# Altium PCB MB1367C-for mechanical-drawing.PcbDoc (part 3 of 5) (continued)
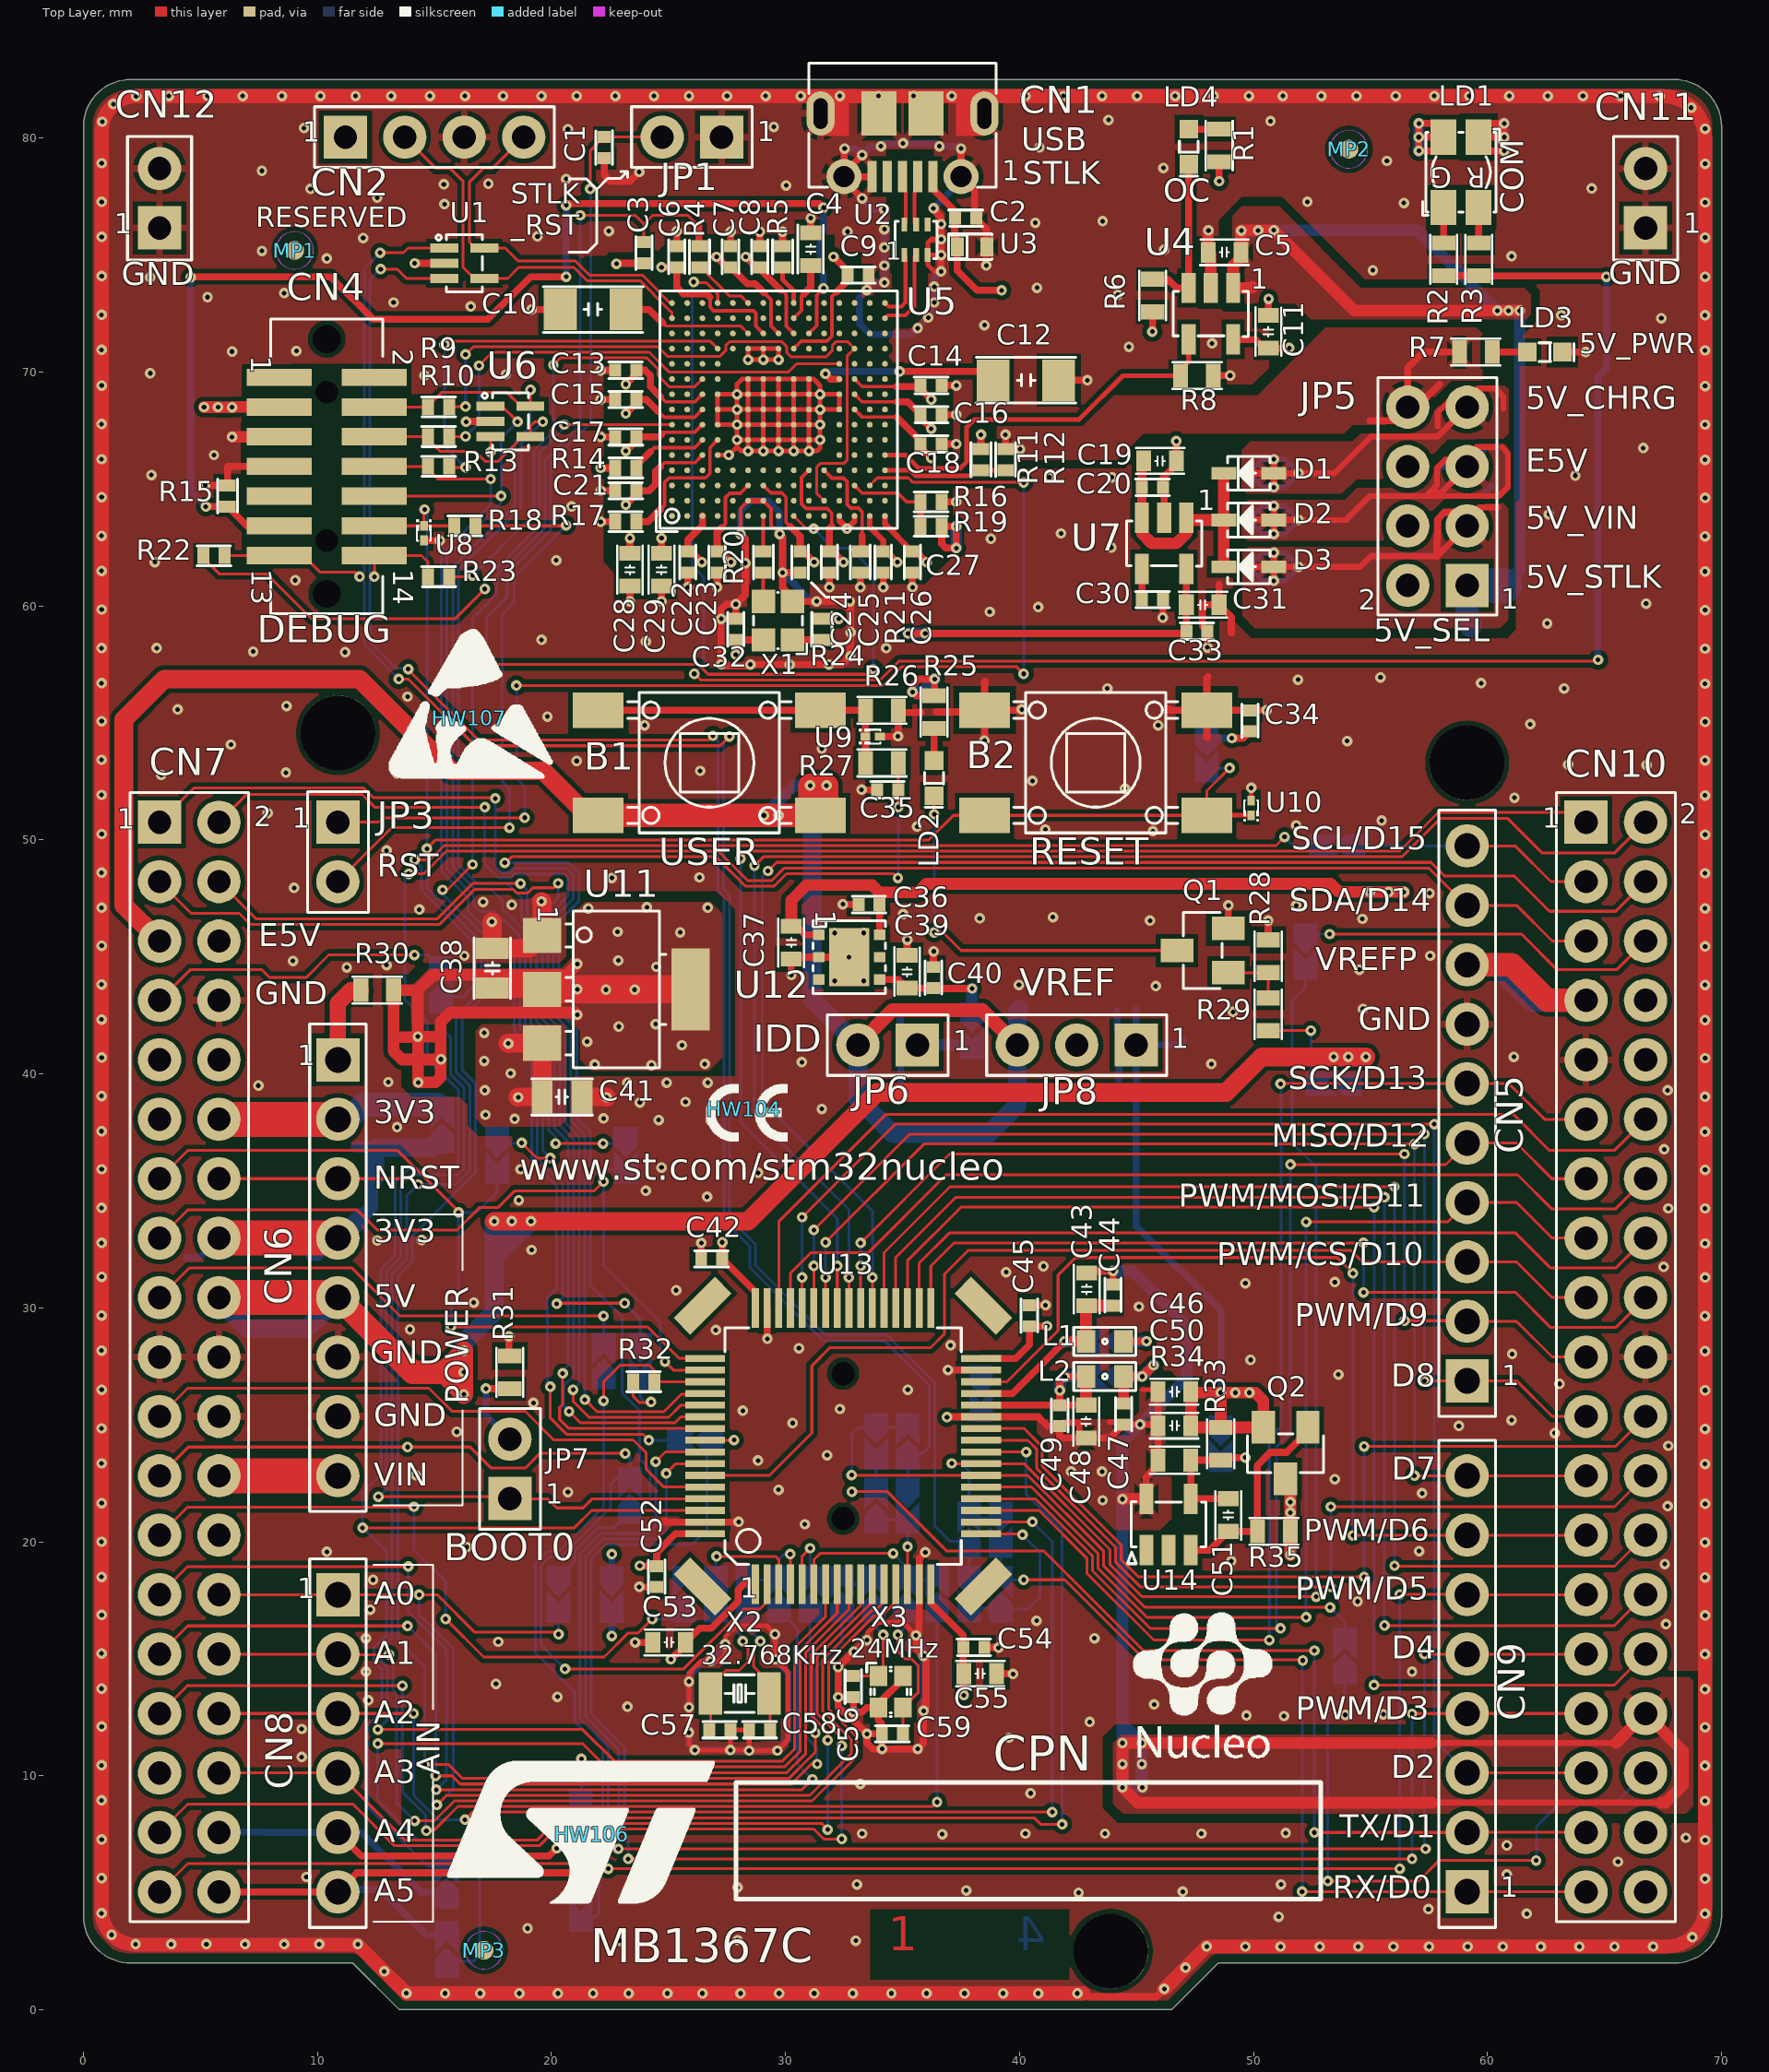
[diagram p0: Top Layer view]
## Nets (pads, with @x,y where several pads share a name; then routed paths per layer and width w, separated by ;. In a path a pad name is that pad's centre, name@x,y a point inside that pad or via, vN(x,y) a via of type N, cw(c..) or ccw(c..) an arc to the next point about the centre after c; other vN are vias at no path point) (continued)
GNDDetect: CN4.11 R15.2 U5.K13 | length 51
  Top Layer w0.15: U5.K13@31,71.65 31.33,71.98 31.33,73.28 v1(31.625,73.575)
  Top Layer w0.3: v1(4.575,74.05) 4.6,74.075 10.55,74.075 12.375,72.25 17.275,72.25 19.1,74.075 v1(20.625,74.075) ; v1(5.225,64.25) R15.2@6.15,64.25 6.975,63.425 CN4.11@8.363,63.425 ; v1(20.625,77.125) 20.695,77.195 31.455,77.195 v1(31.625,77.025)
  Bottom Layer w0.3: v1(4.575,74.05) 4.575,64.9 v1(5.225,64.25) ; v1(20.625,74.075) v1(20.625,77.125) ; v1(31.625,73.575) 31.625,74.2 31.475,74.35 31.475,75.9 31.625,76.05 v1(31.625,77.025)
IOREF: CN6.2 CN7.12 SB39.2 | length 20.2
  Top Layer w1.5: CN7.12@5.79,38.06 CN6.2@10.87,38.06
  Signal Layer 2 w1.5: CN7.12@5.79,38.06 CN6.2@10.87,38.06
  Bottom Layer w0.5: 15.15,38.7 15.325,38.525 SB39.2@15.325,38.4
  Bottom Layer w1: CN6.2@10.87,38.06 11.31,38.06 11.95,38.7 15.15,38.7
  Bottom Layer w1.5: CN7.12@5.79,38.06 CN6.2@10.87,38.06
LED_STLK: R2.2 R3.2 U5.D15 | length 83
  Top Layer w0.12: v1@26.075,73.825 26.617,73.825 27.105,73.337 27.105,72.955 U5.D15@27.1,72.95 ; v1(26.1,57.1) 26.115,57.1 26.375,56.84 34.051,56.84 34.851,57.64 64.665,57.64 v1(64.725,57.7) ; R2.2@58.12,74.115 R2.2@58.135,74.1 ; v1(65.075,74.075) 65.075,74.1 65.075,74.125 v1@65.1,74.1
  Top Layer w0.3: R2.2@58.12,74.115 R3.2@59.62,74.115 ; R2.2@58.135,74.1 65.075,74.1 v1@65.1,74.1
  Bottom Layer w0.12: v1(26.075,73.85) 26.02,73.795 26.02,61.707 26.5,61.227 26.5,57.5 v1(26.1,57.1) ; v1@64.7,57.725 v1(64.725,57.7)
  Bottom Layer w0.3: v1@64.7,57.725 64.7,69.8 65.075,70.175 v1(65.075,74.075)
MCO: C3.2 R4.2 SB27.1 | length 103.5
  Top Layer w0.12: v1(14.575,10.475) 15.607,10.475 16.197,9.885 30.146,9.885 31.001,10.741 31.009,10.741 31.275,11.007 v1(31.275,11.825) ; v1(15.346,47.868) 15.543,47.868 v1(16.625,48.95) ; v1(21.225,76.7) 23.575,76.7 23.95,76.325 ; C3.2@23.95,75.55 23.95,76.325 ; 26.3,76.225 25.825,76.7 24.325,76.7 23.95,76.325
  Top Layer w0.3: 26.3,76.225 26.3,75.4 R4.2@26.325,75.375
  Bottom Layer w0.12: v1(14.575,10.475) 14.575,14.675 13.43,15.82 13.43,31.355 14.045,31.97 14.045,33.068 16.745,35.768 16.745,39.6 16.17,40.175 16.17,42.376 17.25,43.456 17.25,45.788 15.346,47.692 v1(15.346,47.868) ; v1(16.625,48.95) 16.625,59.475 17.65,60.5 17.65,61.271 19.73,63.351 19.73,66.23 21.225,67.725 v1(21.225,76.7) ; v1(31.275,11.825) 31.275,14.575 32.42,15.72 SB27.1@32.42,17.265
NetB1_3: B1.3 B1.4 R26.2 R27.1 U9.1 | length 13.7
  Top Layer w0.3: B1.4@21.995,55.55 B1.3@31.495,55.55 33.41,55.55 33.408,55.548 U9.1@33.408,54.415 33.42,54.402 R27.1@33.42,53.29
NetC1_2: C1.2 JP1.2 U5.J1 | length 52.5
  Top Layer w0.12: v1(17.225,57.5) 17.23,57.505 26.268,57.505 26.693,57.08 33.53,57.08 v1(33.75,57.3) ; v1(21.65,77.825) 21.65,79.45 C1.2@22.25,80.05 ; C1.2@22.25,80.075 22.285,80.04 JP1.2@24.73,80.04 ; U5.J1@30.35,63.85 30.9,63.3 v1(31.2,63.3)
  Bottom Layer w0.12: v1(17.225,57.5) 17.225,59.5 18.1,60.375 18.1,61.382 19.97,63.252 19.97,66.131 21.67,67.831 21.67,77.805 v1(21.65,77.825) ; v1(31.2,63.3) 32.025,62.475 32.75,62.475 33.75,61.475 v1(33.75,57.3)
NetC4_2: C4.2 U5.J14 | length 2.6
  Top Layer w0.15: U5.J14@30.35,72.3 30.68,72.63 30.68,73.23 30.8,73.35
  Top Layer w0.3: 30.8,73.35 31.075,73.625 C4.2@31.075,74.55
NetC10_2: C10.2 U5.F13 | length 5.6
  Top Layer w0.12: 24.75,72.1 24.875,71.975 28.075,71.975 U5.F13@28.4,71.65
  Top Layer w0.3: C10.2@23.175,72.675 24.175,72.675 24.75,72.1
NetC12_2: C12.2 U5.M10 | length 8.1
  Top Layer w0.3: v1(31.7,69.925) 31.925,69.7 U5.M10@32.295,69.7 ; v1(34.875,70.025) 38.5,70.025 C12.2@38.875,69.65
  Bottom Layer w0.3: v1(31.7,69.925) 31.8,70.025 v1(34.875,70.025)
NetC19_2: C19.2 C20.2 D1.2 D2.2 D3.2 U7.1 U7.3 | length 11.7
  Top Layer w0.3: C19.2@45.23,66.125 C19.2@45.305,66.2 ; U7.1@47.13,63.775 47.15,63.755 U7.1@47.23,63.675
  Top Layer w0.4: U7.3@45.23,63.775 C20.2@45.23,65.075 C19.2@45.23,66.125
  Top Layer w0.5: U7.3@45.23,63.775 45.23,63.095 45.65,62.675 46.7,62.675 47.15,63.125 47.15,63.755 U7.1@47.15,63.8 ; U7.1@47.23,63.675 D2.2@48.73,63.675 ; D3.2@48.73,61.675 D2.2@48.73,63.675 ; D1.2@48.73,65.675 D2.2@48.73,63.675
NetC30_2: C30.2 U7.4 | length 1.3
  Top Layer w0.3: C30.2@45.23,60.275 U7.4@45.23,61.575
NetC34_2: C34.2 SB1.1 | length 2
  Top Layer w0.3: v1(49.075,54.35) 49.555,54.35 C34.2@49.845,54.64
  Bottom Layer w0.3: SB1.1@47.995,54.165 48.18,54.35 v1(49.075,54.35)
NetC39_2: C39.2 C40.2 SB5.1 U12.4 | length 5.4
  Top Layer w0.3: U12.4@34.02,44.04 34.82,44.04 C39.2@35.195,43.665 C40.2@36.32,43.665 36.335,43.65 v1(37.975,43.65)
  Bottom Layer w0.5: SB5.1@37.97,42.34 37.97,43.645 v1(37.975,43.65)
NetC47_2: C47.2 JP8.2 L2.1 SB10.1 | length 20.6
  Top Layer w0.4: L2.1@44.445,27.065 v1(45.24,27.065) v1(45.725,27.55)
  Top Layer w0.45: C47.2@44.445,25.915 L2.1@44.445,27.065
  Signal Layer 2 w0.8: JP8.2@42.445,41.235 42.445,38.505 46.3,34.65 46.3,28.125 v1(45.725,27.55) v1(45.24,27.065)
  Bottom Layer w0.5: SB10.1@44.145,27.065 v1(45.24,27.065) v1(45.725,27.55)
NetC51_1: C51.1 Q2.1 R35.1 U14.3 | length 8.9
  Top Layer w0.3: U14.3@47.32,19.64 48.12,19.64 C51.1@48.92,20.44 R35.1@50.17,20.44 50.17,23.27 50.725,23.825 51.425,23.825 52.32,24.72 Q2.1@52.32,24.89
NetC51_2: C51.2 R33.1 R34.2 SB14.2 U14.4 | length 6.7
  Top Layer w0.3: C51.2@48.92,21.84 U14.4@47.32,21.84 R34.2@47.32,23.49 R33.1@48.595,23.49 48.705,23.6 v1(49.65,23.6)
  Bottom Layer w0.3: SB14.2@48.595,23.59 49.64,23.59 v1(49.65,23.6)
NetCN5_10: CN5.10 CN10.3 SB2.1 | length 10.8
  Top Layer w0.12: CN5.10@59.13,49.744 61.181,49.744 62.705,48.22 CN10.3@64.21,48.22
  Bottom Layer w0.12: SB2.1@54.075,49.75 54.085,49.74 59.126,49.74 CN5.10@59.13,49.744
NetCN6_1: CN6.1 R30.1 | length 3.7
  Top Layer w0.12: CN6.1@10.87,40.6 CN6.1@10.885,40.615
  Top Layer w0.7: CN6.1@10.87,40.6 10.87,43.02 11.425,43.575 R30.1@11.85,43.575
NetCN7_7: CN7.7 SB4.2 | length 13.4
  Top Layer w0.12: CN7.7@3.25,43.14 4.56,44.45 7.625,44.45 7.95,44.125 9.525,44.125 10.484,45.084 v1(14.141,45.084)
  Bottom Layer w0.12: v1(14.141,45.084) 14.691,45.084 15.275,44.5 SB4.2@15.275,44.4
NetCN7_17: CN7.17 SB7.2 | length 21.7
  Top Layer w0.12: CN7.17@3.25,30.44 4.51,31.7 11.475,31.7 13.52,29.655 22.22,29.655 v1(22.225,29.65)
  Bottom Layer w0.12: SB7.2@22.225,28.325 v1(22.225,29.65)
NetCN7_36: CN7.36 CN8.5 SB34.1 SB35.2 | length 22.1
  Top Layer w0.3: CN8.5@10.87,7.58 11.875,6.575 19.9,6.575 v1(20.225,6.9)
  Bottom Layer w0.3: CN7.36@5.79,7.58 5.8,7.59 7.67,7.59 7.68,7.58 CN8.5@10.87,7.58 11.87,7.58 14.425,5.025 SB34.1@15.525,5.025 ; v1(20.225,6.9) 20.65,6.9 21.25,7.5 SB35.2@21.25,7.6
NetCN7_38: CN7.38 CN8.6 SB36.2 SB37.1 | length 22.7
  Top Layer w0.3: CN7.38@5.79,5.04 CN8.6@10.87,5.04 11.68,5.85 20.85,5.85 v1(21.25,6.25)
  Bottom Layer w0.3: CN8.6@10.87,5.04 10.97,5.14 12.695,5.14 14.66,3.175 SB36.2@15.525,3.175 ; SB37.1@21.25,5.05 v1(21.25,6.25)
NetCN10_6: CN10.6 SB3.1 | length 15.8
  Top Layer w0.12: v1(53.25,45.975) 61.45,45.975 62.975,44.45 65.52,44.45 CN10.6@66.75,45.68
  Bottom Layer w0.12: SB3.1@52.225,45.725 52.475,45.975 v1(53.25,45.975)
NetCN10_34: CN10.34 SB33.1 | length 25.8
  Top Layer w0.12: v1(53.175,5.5) 57.05,5.5 57.925,6.375 v1(62.075,6.375)
  Bottom Layer w0.12: v1(53.175,5.5) 53.175,12.725 53.9,13.45 SB33.1@53.9,14.625 ; v1(62.075,6.375) 62.1,6.4 62.1,7.85 63.15,8.9 65.53,8.9 CN10.34@66.75,10.12
NetJP3_2: JP3.2 R18.1 | length 26.3
  Top Layer w0.12: JP3.2@10.87,48.22 13.175,50.525 v1(18.2,50.525) ; R18.1@16.75,63.425 20.6,63.425 v1(20.625,63.45)
  Bottom Layer w0.12: v1(18.2,50.525) 18.2,52.175 17.9,52.475 17.9,59.65 18.4,60.15 18.4,61.225 v1(20.625,63.45)
NetJP7_2: JP7.2 R31.2 | length 3.6
  Top Layer w0.3: v1(17.2,26.55) 17.205,26.545 R31.2@18.22,26.545
  Bottom Layer w0.3: v1(17.2,26.55) 17.2,25.41 JP7.2@18.22,24.39
NetLD1_2: LD1.2 R3.1 | length 1.5
  Top Layer w0.3: R3.1@59.62,75.515 LD1.2@59.62,77.04
NetLD1_3: LD1.3 R2.1 | length 1.5
  Top Layer w0.3: R2.1@58.12,75.515 LD1.3@58.12,77.04
NetLD2_1: LD2.1 R25.2 | length 1.4
  Top Layer w0.3: LD2.1@36.345,53.39 R25.2@36.345,54.765
NetLD2_2: LD2.2 Q1.3 | length 16.5
  Top Layer w0.12: LD2.2@36.345,51.89 36.345,51.105 v1(36.35,51.1) ; v1(36.35,46.05) 36.725,46.05 37.5,45.275 Q1.3@46.725,45.275
  Bottom Layer w0.12: v1(36.35,46.05) v1(36.35,51.1)
NetLD3_1: LD3.1 R7.1 | length 1.5
  Top Layer w0.3: R7.1@60.2,70.85 LD3.1@61.7,70.85
NetLD4_1: LD4.1 R1.1 | length 1.3
  Top Layer w0.3: LD4.1@47.233,80.38 R1.1@48.533,80.38
NetLD4_2: LD4.2 R6.1 U4.3 | length 7
  Top Layer w0.3: R6.1@45.685,73.97 46.33,73.97 46.705,73.595 U4.3@47.225,73.595 47.233,73.603 LD4.2@47.233,78.88
NetQ1_1: Q1.1 R28.2 R29.2 | length 2.8
  Top Layer w0.12: Q1.1@48.925,44.325 R28.2@50.625,44.325 R29.2@50.625,43.25
NetR4_1: R4.1 U5.F15 | length 2.7
  Top Layer w0.12: R4.1@26.325,74.475 26.375,74.475 27.595,73.255 28.095,73.255 U5.F15@28.4,72.95
NetR5_2: R5.2 U5.J15 | length 1.7
  Top Layer w0.2: R5.2@29.875,74.45 29.875,73.948 30.35,73.473 U5.J15@30.35,72.95
NetR14_2: R14.2 U5.C6 | length 3.4
  Top Layer w0.15: 24.225,66.6 24.395,66.77 26.12,66.77 U5.C6@26.45,67.1
  Top Layer w0.3: R14.2@23.625,65.9 23.625,66 24.225,66.6
NetR16_1: R16.1 R19.1 U5.N3 | length 4.2
  Top Layer w0.15: U5.N3@32.95,65.15 33.275,64.825 34.8,64.825 35.175,64.45 R16.1@35.775,64.45
  Top Layer w0.3: R19.1@35.775,63.4 R16.1@35.775,64.45
NetR17_2: R17.2 U5.D6 | length 6.1
  Top Layer w0.15: 24.65,64.125 24.83,64.305 24.83,65.283 25.022,65.475 26.578,65.475 26.77,65.667 26.77,66.77 U5.D6@27.1,67.1
  Top Layer w0.3: R17.2@23.625,63.6 24.125,63.6 24.65,64.125
NetR20_1: R20.1 X1.3 | length 1.2
  Top Layer w0.15: X1.3@29.05,60.2 R20.1@29.05,61.425
NetR20_2: R20.2 U5.G1 | length 1.5
  Top Layer w0.15: R20.2@29.05,62.325 U5.G1@29.05,63.85
NetR21_2: R21.2 U5.L4 | length 4.7
  Top Layer w0.15: U5.L4@31.65,65.8 31.98,65.47 32.48,65.47 32.63,65.32 32.63,64.345 32.795,64.18 33.12,64.18 33.27,64.03 33.27,63.005
  Top Layer w0.3: R21.2@33.2,62.325 33.27,62.395 33.27,63.005
NetR24_2: R24.2 X1.1 | length 1.3
  Top Layer w0.3: X1.1@30.3,58.55 R24.2@31.55,58.55
NetR29_1: R29.1 SB6.2 | length 4.3
  Top Layer w0.12: R29.1@50.625,41.85 v1(52.45,41.85)
  Bottom Layer w0.12: v1(52.45,41.85) 52.45,39.95 SB6.2@52.825,39.575
NetR32_1: R32.1 SB9.2 | length 3
  Top Layer w0.12: R32.1@23.495,26.84 23.495,26.205 23.75,25.95 24.225,25.95 v1(24.25,25.975)
  Bottom Layer w0.12: SB9.2@23.795,27.115 23.795,26.155 23.975,25.975 v1(24.25,25.975)
NetSB24_2: SB24.2 SB25.2 U13.6 | length 7.2
  Top Layer w0.12: U13.6@31.21,18.19 31.21,19.235 31.475,19.5 v1(34.6,19.5)
  Bottom Layer w0.12: v1(34.6,19.5) 35.12,18.98 SB25.2@35.12,18.365 SB24.2@36.47,18.365
NetSB26_2: SB26.2 SB27.2 SB28.2 U13.5 | length 5.8
  Top Layer w0.12: U13.5@30.71,18.19 30.71,19.385 v1(31.05,19.725)
  Bottom Layer w0.12: v1(31.05,19.725) 31.05,18.385 SB28.2@31.07,18.365 31.245,18.19 33.71,18.19
NetSB29_2: SB29.2 SB30.2 U13.4 | length 4.1
  Top Layer w0.12: v1(30.2,19.475) 30.21,19.465 U13.4@30.21,18.19
  Bottom Layer w0.12: SB30.2@28.37,18.365 SB29.2@29.72,18.365 29.71,18.375 29.71,19.24 29.945,19.475 v1(30.2,19.475)
NetSB31_2: SB31.2 SB32.2 U13.3 | length 6.1
  Top Layer w0.12: v1(27.05,19.375) 29.575,19.375 29.71,19.24 U13.3@29.71,18.19
  Bottom Layer w0.12: SB32.2@25.67,18.365 SB31.2@27.02,18.365 27.02,19.345 v1(27.05,19.375)
OSC32_IN: C57.1 SB31.1 X2.1 | length 6.9
  Top Layer w0.12: C57.1@26.795,12.015 X2.1@26.795,13.515 26.795,13.845 27.45,14.5 28.025,14.5 28.4,14.875 28.4,15.525 v1(28.175,15.75)
  Top Layer w0.2: C57.1@26.745,11.965 C57.1@26.795,12.015
  Bottom Layer w0.12: SB31.1@27.02,17.265 27.02,17.065 28.175,15.91 v1(28.175,15.75)
OSC32_OUT: C58.1 SB30.1 X2.2 | length 5.9
  Top Layer w0.12: v1(28.925,15.75) 28.64,15.465 28.64,14.66 29.295,14.005 X2.2@29.295,13.515 29.345,13.465 C58.1@29.345,11.965
  Bottom Layer w0.12: SB30.1@28.37,17.265 28.37,16.305 v1(28.925,15.75)
OSC_IN: C56.2 SB26.1 X3.1 | length 4.3
  Top Layer w0.12: C56.2@32.895,14.265 X3.1@33.97,14.265 34.175,14.47 v1(34.175,16.025)
  Bottom Layer w0.12: SB26.1@33.77,17.265 33.77,16.43 v1(34.175,16.025)
OSC_OUT: C59.2 SB25.1 X3.3 | length 6.1
  Top Layer w0.12: v1(34.8,16.025) 34.8,15.3 35.1,15 35.375,15 35.675,14.7 35.675,13.57 X3.3@35.02,12.915 C59.2@35.02,11.79
  Bottom Layer w0.12: v1(34.8,16.025) 35.15,16.375 35.15,16.975
PA0: CN7.28 CN8.1 SB21.2 U13.12 | length 53.8
  Top Layer w0.12: CN7.28@5.79,17.74 CN8.1@10.87,17.74 v1(14.34,17.74) 15.11,17.74 16.72,16.13 20.22,16.13 v1(20.3,16.05) ; v1(15.1,8.75) 15.515,9.165 31.038,9.165 32.805,10.932 32.805,11.548 31.585,12.768 31.585,14.974 33.531,16.92 33.534,16.92 33.689,17.075 33.85,17.075 34.21,17.435 U13.12@34.21,18.19
  Bottom Layer w0.12: v1(14.34,17.74) 14.34,16.899 15.8,15.439 15.8,9.45 v1(15.1,8.75) ; v1(20.3,16.05) SB21.2@20.3,17.15
PA1: CN7.30 CN8.2 U13.13 | length 44.1
  Top Layer w0.12: CN7.30@5.79,15.2 CN8.2@10.87,15.2 10.895,15.175 v1(13.05,15.175) ; v1(14.15,8.075) 14.998,8.075 15.848,8.925 31.137,8.925 33.045,10.833 33.045,11.647 31.845,12.847 31.845,14.895 33.63,16.68 33.633,16.68 33.788,16.835 34.11,16.835 34.71,17.435 U13.13@34.71,18.19
  Bottom Layer w0.12: v1(13.05,15.175) 13.22,15.005 13.22,13.665 13.385,13.5 13.385,8.84 v1(14.15,8.075)
PA2: SB17.2 SB18.1 U13.14 | length 4.1
  Top Layer w0.12: U13.14@35.21,18.19 35.21,19.79 v1(35.215,19.79)
  Bottom Layer w0.12: SB18.1@33.87,21.04 33.97,20.94 SB17.2@35.22,20.94 35.22,19.795 v1(35.215,19.79)
PA3: SB22.1 SB23.2 U13.17 | length 8.1
  Top Layer w0.12: U13.17@38.36,20.34 40.085,20.34 v1(40.125,20.3)
  Bottom Layer w0.12: SB23.2@37.845,17.165 39.095,17.165 SB22.1@39.195,17.265 39.335,17.125 40.35,17.125 40.875,17.65 40.875,19.55 v1(40.125,20.3)
PA4: CN7.32 CN8.3 U13.18 | length 54.6
  Top Layer w0.12: CN7.32@5.79,12.66 CN8.3@10.87,12.66 v1(14.1,12.66) ; v1(16.3,8.125) 16.62,8.445 41.395,8.445 v1(41.4,8.45) ; U13.18@38.36,20.84 40.54,20.84 v1(40.55,20.85)
  Bottom Layer w0.12: v1(14.1,12.66) 14.1,9.177 15.152,8.125 v1(16.3,8.125) ; v1(40.55,20.85) 41.4,20 v1(41.4,8.45)
PA5: CN5.6 CN10.11 SB6.1 U13.19 | length 57.9
  Top Layer w0.12: U13.19@38.36,21.34 40.835,21.34 42.875,19.3 42.875,18.664 45.739,15.8 v1(50.675,15.8) ; v1(51.15,39.575) 51.159,39.584 CN5.6@59.13,39.584 60.916,39.584 62.44,38.06 CN10.11@64.21,38.06
  Bottom Layer w0.12: v1(50.675,15.8) 50.675,24.425 51.17,24.92 51.17,39.555 v1(51.15,39.575) ; SB6.1@53.925,39.575 59.121,39.575 CN5.6@59.13,39.584
PA6: CN5.5 CN10.13 U13.20 | length 49.3
  Top Layer w0.12: U13.20@38.36,21.84 40.674,21.84 43.115,19.399 43.115,18.763 45.578,16.3 v1(51.15,16.3) ; v1(51.575,36.125) 58.211,36.125 CN5.5@59.13,37.044 61.231,37.044 62.755,35.52 CN10.13@64.21,35.52
  Bottom Layer w0.12: v1(51.15,16.3) 50.975,16.475 50.975,24.05 51.57,24.645 51.57,36.12 v1(51.575,36.125)
PA7: CN5.4 CN10.15 U13.21 | length 46.4
  Top Layer w0.12: U13.21@38.36,22.34 40.514,22.34 43.355,19.499 43.355,18.862 45.442,16.775 v1(52.25,16.775) ; v1(52.25,33.675) 58.301,33.675 CN5.4@59.13,34.504 61.241,34.504 62.765,32.98 CN10.15@64.21,32.98
  Bottom Layer w0.12: v1(52.25,16.775) v1(52.25,33.675)
PA8: CN9.8 CN10.23 U13.42 | length 51.2
  Top Layer w0.12: U13.42@31.71,29.99 v1(31.71,31.3) ; v1(31.71,32.8) 35.91,37 v1(56.875,37) ; v1(56.875,22.825) 59.125,22.825 CN9.8@59.13,22.82 CN10.23@64.21,22.82
  Bottom Layer w0.12: v1(31.71,31.3) v1(31.71,32.8) ; v1(56.875,22.825) v1(56.875,37)
PA9: CN5.1 CN10.21 U13.43 | length 49.2
  Top Layer w0.12: U13.43@31.21,29.99 v1(31.21,31.79) ; v1(31.21,33.325) 35.312,37.427 57.248,37.427 57.25,37.425 v1(57.3,37.425) ; v1(57.3,26.875) 59.121,26.875 CN5.1@59.13,26.884 61.241,26.884 62.765,25.36 CN10.21@64.21,25.36
  Bottom Layer w0.12: v1(31.21,31.79) v1(31.21,33.325) ; v1(57.3,26.875) v1(57.3,37.425)
PA10: CN9.3 CN10.33 U13.44 | length 65.9
  Top Layer w0.12: U13.44@30.71,29.99 v1(30.71,31.3) ; v1(30.71,33.875) 34.687,37.852 57.723,37.852 v1(57.725,37.85) ; CN9.3@59.13,10.12 CN10.33@64.21,10.12
  Bottom Layer w0.12: v1(30.71,31.3) v1(30.71,33.875) ; v1(57.725,37.85) 57.725,11.525 CN9.3@59.13,10.12
PA11: CN10.14 U13.45 | length 40.9
  Top Layer w0.12: U13.45@30.21,29.99 30.21,31.485 31.075,32.35 33.525,32.35 36.864,35.689 61.291,35.689 62.755,34.225 65.455,34.225 CN10.14@66.75,35.52
PA12: CN10.12 U13.46 | length 43.8
  Top Layer w0.12: U13.46@29.71,29.99 29.71,33.685 34.3,38.275 61.1,38.275 62.65,36.725 65.415,36.725 CN10.12@66.75,38.06
PA13: CN7.13 SB40.2 U13.49 | length 33.9
  Top Layer w0.12: CN7.13@3.25,35.52 4.455,36.725 13.423,36.725 16.025,34.123 v1(16.025,34.075) ; v1(15.7,29.2) 15.72,29.18 24.12,29.18 25.46,27.84 U13.49@26.56,27.84
  Bottom Layer w0.12: v1(15.7,29.2) 15.7,30.3 16.025,30.625 v1(16.025,34.075) 16.8,34.075 17.675,34.95 SB40.2@17.675,35.925 SB40.2@17.65,35.95
PA14: CN7.15 SB41.2 U13.50 | length 32.7
  Top Layer w0.12: CN7.15@3.25,32.98 4.455,34.185 11.7,34.185 12.56,33.325 15.957,33.325 16.912,34.28 17.707,34.28 18.432,35.005 21.83,35.005 v1(22.225,35.4) ; v1(24.85,27.7) 25.21,27.34 U13.50@26.56,27.34
  Bottom Layer w0.12: SB41.2@23.175,35.925 22.45,35.925 22.225,35.7 v1(22.225,35.4) 22.225,31.785 24.65,29.36 24.65,27.9 v1(24.85,27.7)
PA15: R32.2 SB7.1 SB37.2 U13.51 | length 32.7
  Top Layer w0.12: v1(22.225,26.025) 22.225,26.85 22.925,27.55 24.175,27.55 24.395,27.33 R32.2@24.395,26.84 U13.51@26.56,26.84
  Bottom Layer w0.12: SB37.2@21.25,3.95 21.845,3.95 22.02,4.125 22.02,6.193 22.185,6.358 22.185,11.126 20.98,12.331 20.98,13.592 19.31,15.262 19.31,19.074 19.826,19.59 20.318,19.59 22.225,21.497 v1(22.225,26.025) SB7.1@22.225,27.225
PB0: CN7.34 CN8.4 U13.24 | length 56.2
  Top Layer w0.12: CN7.34@5.79,10.12 CN8.4@10.87,10.12 13.745,7.245 19.381,7.245 20.341,8.205 40.625,8.205 40.905,7.925 v1(41.825,7.925) ; U13.24@38.36,23.84 v1(40.285,23.84)
  Bottom Layer w0.12: v1(40.285,23.84) 40.285,22.027 41.825,20.487 v1(41.825,7.925)
PB1: CN10.24 U13.25 | length 35.8
  Top Layer w0.12: U13.25@38.36,24.34 40.358,24.34 40.725,23.973 40.725,23.147 44.11,19.762 44.11,19.126 45.161,18.075 v1(53.3,18.075) ; v1(53.3,21.5) 65.43,21.5 CN10.24@66.75,22.82
  Bottom Layer w0.12: v1(53.3,18.075) v1(53.3,21.5)
PB2: CN10.22 U13.26 | length 38
  Top Layer w0.12: U13.26@38.36,24.84 40.197,24.84 40.965,24.072 40.965,23.246 44.35,19.861 44.35,19.225 45.075,18.5 v1(54.725,18.5) ; v1(54.725,24.075) 65.465,24.075 CN10.22@66.75,25.36
  Bottom Layer w0.12: v1(54.725,18.5) v1(54.725,24.075)
PB3: CN9.4 CN10.31 SB15.1 U13.56 | length 72.3
  Top Layer w0.12: v1(23.275,6.45) v1(56.775,6.45) ; U13.56@26.56,24.34 27.79,24.34 v1(27.8,24.35) ; v1(56.775,12.65) 56.785,12.66 CN9.4@59.13,12.66 CN10.31@64.21,12.66
  Bottom Layer w0.12: v1(23.275,6.45) 23.275,7.3 23.125,7.45 23.125,11.204 21.7,12.629 21.7,19.275 22.305,19.88 26.005,19.88 26.645,20.52 SB15.1@26.645,24.34 27.79,24.34 v1(27.8,24.35) ; v1(56.775,6.45) v1(56.775,12.65)
PB4: CN9.6 CN10.27 U13.57 | length 76.2
  Top Layer w0.12: v1(22.425,6.025) v1(56.25,6.025) ; v1(24.45,23.425) 24.865,23.84 U13.57@26.56,23.84 ; v1(56.25,17.75) 59.12,17.75 CN9.6@59.13,17.74 CN10.27@64.21,17.74
  Bottom Layer w0.12: v1(22.425,6.025) 22.425,11.225 21.22,12.43 21.22,19.474 22.106,20.36 24.125,20.36 24.45,20.685 v1(24.45,23.425) ; v1(56.25,6.025) v1(56.25,17.75)
PB5: CN9.5 CN10.29 U13.58 | length 71
  Top Layer w0.12: v1(22.85,6.875) v1(57.35,6.875) ; v1(24.9,22.925) 25.315,23.34 U13.58@26.56,23.34 ; v1(57.3,15.2) CN9.5@59.13,15.2 CN10.29@64.21,15.2
  Bottom Layer w0.12: v1(22.85,6.875) 22.885,6.91 22.885,11.104 21.46,12.529 21.46,19.374 22.206,20.12 24.495,20.12 24.9,20.525 v1(24.9,22.925) ; v1(57.3,15.2) 57.3,6.925 v1(57.35,6.875)
PB6: CN5.3 CN10.17 U13.59 | length 45.6
  Top Layer w0.12: U13.59@26.56,22.84 29.315,22.84 31.125,24.65 31.125,27.525 31.9,28.3 36.2,28.3 36.8,28.9 36.8,31.45 37.8,32.45 54.175,32.45 54.661,31.964 CN5.3@59.13,31.964 61.241,31.964 62.765,30.44 CN10.17@64.21,30.44
PB7: CN7.21 U13.60 | length 26
  Top Layer w0.12: CN7.21@3.25,25.36 4.455,26.565 14.76,26.565 15.75,25.575 18.875,25.575 20.09,24.36 23.49,24.36 24.045,23.805 24.045,23.092 24.797,22.34 U13.60@26.56,22.34
PB8: JP7.1 SB2.2 SB4.1 U13.61 | length 86.3
  Top Layer w0.12: v1(12.6,21.925) 18.145,21.925 18.23,21.84 19.825,21.84 20.215,21.45 21.35,21.45 21.74,21.84 U13.61@26.56,21.84 ; v1(14.15,49.15) 14.8,49.15 15.41,49.76 50.96,49.76 v1(51.325,50.125)
  Bottom Layer w0.12: v1(12.6,21.925) 12.95,22.275 12.95,31.554 13.565,32.169 13.565,35.279 13.966,35.68 15.978,35.68 16.265,35.967 16.265,39.402 15.69,39.977 15.69,41.56 15.275,41.975 SB4.1@15.275,43.3 16.225,43.3 16.77,43.845 16.77,45.531 14.435,47.866 14.435,48.865 v1(14.15,49.15) ; v1(51.325,50.125) 51.7,49.75 SB2.2@52.975,49.75